# Allegro board 8880F5-0826_3.brd (continued)
## Routing (per net, layer and track width the routed paths; a pad name or vN(x,y) marks a point on that pad's centre or on a via; arc(x,y) is an arc through that point) (continued)
  L30_SIGNAL w0.074: 309.07,353.06 D114.A16 ; D114.A16 310.69,353.06 ; D114.A16 309.88,353.87 ; D114.A16 309.88,352.25 ; 88.09,81.28 D130.B2 ; D130.B2 88.9,80.47 ; D130.B2 89.71,81.28 ; D130.B2 88.9,82.09 ; D321.A16 271.78,87.07 ; D321.A16 271.78,85.65 ; D321.A16 271.07,86.36 ; D321.A16 272.49,86.36 ; 197.31,76.2 D118.A16 ; D118.A16 198.12,77.01 ; D118.A16 198.93,76.2 ; D118.A16 198.12,75.39 ; DPS1.A11 406.4,14.78 ; DPS1.A11 406.4,13.16 ; DPS1.A11 407.21,13.97 ; DPS1.A11 405.59,13.97 ; CSDPS425.B12 247.19,342.9 ; CSDPS425.B12 245.57,342.9 ; CSDPS425.B12 246.38,342.09 ; CSDPS425.B12 246.38,343.71 ; 247.85,187.93 SITE3.G7 ; SITE3.G7 248.33,188.41 ; SITE3.G7 248.81,187.93 ; SITE3.G7 248.33,187.45 ; 311.61,58.42 D103.B3 ; D103.B3 313.23,58.42 ; D103.B3 312.42,57.61 ; D103.B3 312.42,59.23 ; 99.06,75.39 D130.A6 ; D130.A6 99.87,76.2 ; D130.A6 98.25,76.2 ; D130.A6 99.06,77.01 ; SITE4.G15 331.91,182.83 ; SITE4.G15 330.95,182.83 ; SITE4.G15 331.43,182.35 ; SITE4.G15 331.43,183.31 ; D128.B16 51.61,40.64 ; D128.B16 49.99,40.64 ; D128.B16 50.8,39.83 ; D128.B16 50.8,41.45 ; D123.B9 254.81,58.42 ; D123.B9 254,59.23 ; D123.B9 253.19,58.42 ; D123.B9 254,57.61 ; 193.04,342.09 CSDPS429.B4 ; CSDPS429.B4 193.04,343.71 ; CSDPS429.B4 193.85,342.9 ; CSDPS429.B4 192.23,342.9 ; D118.A12 188.77,76.2 ; D118.A12 187.96,77.01 ; D118.A12 187.96,75.39 ; D118.A12 187.15,76.2 ; D116.B14 315.77,388.62 ; D116.B14 314.96,387.81 ; D116.B14 314.96,389.43 ; D116.B14 314.15,388.62 ; DPS2.A05 338.63,415.29 ; DPS2.A05 337.82,416.1 ; DPS2.A05 337.01,415.29 ; DPS2.A05 337.82,414.48 ; 27.94,37.29 D128.B7 ; D128.B7 27.94,38.91 ; D128.B7 27.13,38.1 ; D128.B7 28.75,38.1 ; 175.26,32.21 D120.A7 ; D120.A7 176.07,33.02 ; D120.A7 174.45,33.02 ; D120.A7 175.26,33.83 ; D129.B12 114.3,102.41 ; D129.B12 115.11,101.6 ; D129.B12 113.49,101.6 ; D129.B12 114.3,100.79 ; 400.51,58.42 D107.B9 ; D107.B9 402.13,58.42 ; D107.B9 401.32,57.61 ; D107.B9 401.32,59.23 ; 411.48,370.03 D111.B5 ; D111.B5 412.29,370.84 ; D111.B5 411.48,371.65 ; D111.B5 410.67,370.84 ; D317.A9 181.05,83.82 ; D317.A9 180.34,84.53 ; D317.A9 179.63,83.82 ; D317.A9 180.34,83.11 ; D306.B16 419.1,71.83 ; D306.B16 419.1,70.41 ; D306.B16 419.81,71.12 ; D306.B16 418.39,71.12 ; D106.B7 396.24,79.55 ; D106.B7 395.43,78.74 ; D106.B7 396.24,77.93 ; D106.B7 397.05,78.74 ; D113.A9 328.47,335.28 ; D113.A9 327.66,336.09 ; D113.A9 327.66,334.47 ; D113.A9 326.85,335.28 ; 317.5,62.79 D302.A5 ; D302.A5 316.79,63.5 ; D302.A5 318.21,63.5 ; D302.A5 317.5,64.21 ; D110.A8 404.67,353.06 ; D110.A8 403.86,353.87 ; D110.A8 403.05,353.06 ; D110.A8 403.86,352.25 ; 413.21,353.06 D110.A4 ; D110.A4 414.02,353.87 ; D110.A4 414.83,353.06 ; D110.A4 414.02,352.25 ; D112.B8 403.86,389.43 ; D112.B8 404.67,388.62 ; D112.B8 403.86,387.81 ; D112.B8 403.05,388.62 ; D128.B15 49.07,38.1 ; D128.B15 48.26,37.29 ; D128.B15 47.45,38.1 ; D128.B15 48.26,38.91 ; 269.24,37.29 D124.B15 ; D124.B15 270.05,38.1 ; D124.B15 269.24,38.91 ; D124.B15 268.43,38.1 ; 256.54,39.83 D124.B10 ; D124.B10 255.73,40.64 ; D124.B10 257.35,40.64 ; D124.B10 256.54,41.45 ; 273.51,340.36 CSDPS425.C1 ; CSDPS425.C1 274.32,341.17 ; CSDPS425.C1 275.13,340.36 ; CSDPS425.C1 274.32,339.55 ; 182.07,342.9 CSDPS429.B8 ; CSDPS429.B8 182.88,343.71 ; CSDPS429.B8 182.88,342.09 ; CSDPS429.B8 183.69,342.9 ; 327.66,88.19 D301.B9 ; D301.B9 327.66,89.61 ; D301.B9 328.37,88.9 ; D301.B9 326.95,88.9 ; 309.17,86.36 D301.A2 ; D301.A2 309.88,87.07 ; D301.A2 309.88,85.65 ; D301.A2 310.59,86.36 ; D126.A6 26.21,76.2 ; D126.A6 25.4,77.01 ; D126.A6 24.59,76.2 ; D126.A6 25.4,75.39 ; D103.A10 331.01,55.88 ; D103.A10 329.39,55.88 ; D103.A10 330.2,55.07 ; D103.A10 330.2,56.69 ; 337.01,78.74 D102.B13 ; D102.B13 337.82,79.55 ; D102.B13 338.63,78.74 ; D102.B13 337.82,77.93 ; 312.42,414.48 DPS2.A15 ; DPS2.A15 313.23,415.29 ; DPS2.A15 312.42,416.1 ; DPS2.A15 311.61,415.29 ; D106.B11 406.4,79.55 ; D106.B11 406.4,77.93 ; D106.B11 405.59,78.74 ; D106.B11 407.21,78.74 ; D113.B13 317.5,331.01 ; D113.B13 316.69,330.2 ; D113.B13 317.5,329.39 ; D113.B13 318.31,330.2 ; 330.23,245.95 SITE2.G18 ; SITE2.G18 329.75,246.43 ; SITE2.G18 330.71,246.43 ; SITE2.G18 330.23,246.91 ; S2_I2C.4 504.95,204.39 ; S2_I2C.4 504.95,202.51 ; S2_I2C.4 505.89,203.45 ; S2_I2C.4 504.01,203.45 ; D116.A10 325.93,393.7 ; D116.A10 325.12,394.51 ; D116.A10 324.31,393.7 ; D116.A10 325.12,392.89 ; 347.17,350.52 D114.B1 ; D114.B1 347.98,351.33 ; D114.B1 348.79,350.52 ; D114.B1 347.98,349.71 ; 411.48,390.35 D112.B5 ; D112.B5 411.48,391.97 ; D112.B5 410.67,391.16 ; D112.B5 412.29,391.16 ; D431.A2 198.12,384.35 ; D431.A2 198.12,382.73 ; D431.A2 197.31,383.54 ; D431.A2 198.93,383.54 ; D113.A8 330.2,333.55 ; D113.A8 331.01,332.74 ; D113.A8 330.2,331.93 ; D113.A8 329.39,332.74 ; 342.09,38.1 D104.B15 ; D104.B15 343.71,38.1 ; D104.B15 342.9,38.91 ; D104.B15 342.9,37.29 ; 169.37,38.1 D120.B5 ; D120.B5 170.18,38.91 ; D120.B5 170.18,37.29 ; D120.B5 170.99,38.1 ; 392.89,327.66 D109.B12 ; D109.B12 394.51,327.66 ; D109.B12 393.7,326.85 ; D109.B12 393.7,328.47 ; CSDPS429.C7 186.23,340.36 ; CSDPS429.C7 184.61,340.36 ; CSDPS429.C7 185.42,339.55 ; CSDPS429.C7 185.42,341.17 ; 408.23,66.04 D306.A12 ; D306.A12 408.94,66.75 ; D306.A12 408.94,65.33 ; D306.A12 409.65,66.04 ; D125.A6 25.4,97.33 ; D125.A6 25.4,95.71 ; D125.A6 26.21,96.52 ; D125.A6 24.59,96.52 ; D118.A10 182.88,77.01 ; D118.A10 183.69,76.2 ; D118.A10 182.07,76.2 ; D118.A10 182.88,75.39 ; D321.A8 252.17,86.36 ; D321.A8 250.75,86.36 ; D321.A8 251.46,87.07 ; D321.A8 251.46,85.65 ; 320.04,65.33 D302.A6 ; D302.A6 320.75,66.04 ; D302.A6 320.04,66.75 ; D302.A6 319.33,66.04 ; D118.B9 180.34,79.55 ; D118.B9 181.15,78.74 ; D118.B9 179.53,78.74 ; D118.B9 180.34,77.93 ; D301.A8 325.83,86.36 ; D301.A8 324.41,86.36 ; D301.A8 325.12,85.65 ; D301.A8 325.12,87.07 ; 268.53,83.82 D321.A15 ; D321.A15 269.95,83.82 ; D321.A15 269.24,83.11 ; D321.A15 269.24,84.53 ; 334.57,86.36 D301.A12 ; D301.A12 335.28,87.07 ; D301.A12 335.28,85.65 ; D301.A12 335.99,86.36 ; CSDPS429.B14 167.64,343.71 ; CSDPS429.B14 167.64,342.09 ; CSDPS429.B14 168.45,342.9 ; CSDPS429.B14 166.83,342.9 ; 413.21,347.98 D110.B4 ; D110.B4 414.02,348.79 ; D110.B4 414.02,347.17 ; D110.B4 414.83,347.98 ; D301.B4 315.67,91.44 ; D301.B4 314.96,90.73 ; D301.B4 314.96,92.15 ; D301.B4 314.25,91.44 ; D302.B6 320.04,71.83 ; D302.B6 319.33,71.12 ; D302.B6 320.75,71.12 ; D302.B6 320.04,70.41 ; 248.85,241.33 SITE1.G2 ; SITE1.G2 249.33,240.85 ; SITE1.G2 249.33,241.81 ; SITE1.G2 249.81,241.33 ; D115.A6 336.09,373.38 ; D115.A6 335.28,372.57 ; D115.A6 334.47,373.38 ; D115.A6 335.28,374.19 ; 254,52.53 D123.A9 ; D123.A9 254,54.15 ; D123.A9 254.81,53.34 ; D123.A9 253.19,53.34 ; 392.89,368.3 D111.B12 ; D111.B12 394.51,368.3 ; D111.B12 393.7,367.49 ; D111.B12 393.7,369.11 ; D231.A15 165.91,375.92 ; D231.A15 165.1,376.73 ; D231.A15 165.1,375.11 ; D231.A15 164.29,375.92 ; 170.18,380.19 D431.B13 ; D431.B13 170.99,381 ; D431.B13 169.37,381 ; D431.B13 170.18,381.81 ; D120.A2 162.56,36.37 ; D120.A2 161.75,35.56 ; D120.A2 163.37,35.56 ; D120.A2 162.56,34.75 ; D123.A5 244.65,53.34 ; D123.A5 243.03,53.34 ; D123.A5 243.84,54.15 ; D123.A5 243.84,52.53 ; D113.A1 348.79,335.28 ; D113.A1 347.17,335.28 ; D113.A1 347.98,334.47 ; D113.A1 347.98,336.09 ; D124.A13 264.16,33.83 ; D124.A13 264.97,33.02 ; D124.A13 264.16,32.21 ; D124.A13 263.35,33.02 ; 332.03,83.82 D301.A11 ; D301.A11 333.45,83.82 ; D301.A11 332.74,84.53 ; D301.A11 332.74,83.11 ; D111.A8 403.86,374.19 ; D111.A8 404.67,373.38 ; D111.A8 403.86,372.57 ; D111.A8 403.05,373.38 ; D112.B2 419.1,389.43 ; D112.B2 419.91,388.62 ; D112.B2 418.29,388.62 ; D112.B2 419.1,387.81 ; 339.55,373.38 D115.A4 ; D115.A4 340.36,374.19 ; D115.A4 341.17,373.38 ; D115.A4 340.36,372.57 ; 330.33,247.45 SITE2.G9 ; SITE2.G9 330.81,247.93 ; SITE2.G9 329.85,247.93 ; SITE2.G9 330.33,248.41 ; D124.A7 249.73,33.02 ; D124.A7 248.92,32.21 ; D124.A7 248.92,33.83 ; D124.A7 248.11,33.02 ; 172.72,85.65 D317.A6 ; D317.A6 172.01,86.36 ; D317.A6 172.72,87.07 ; D317.A6 173.43,86.36 ; CSDPS429.C5 190.5,341.17 ; CSDPS429.C5 189.69,340.36 ; CSDPS429.C5 190.5,339.55 ; CSDPS429.C5 191.31,340.36 ; 266.7,75.39 D122.A14 ; D122.A14 267.51,76.2 ; D122.A14 265.89,76.2 ; D122.A14 266.7,77.01 ; 331.93,335.28 D113.A7 ; D113.A7 333.55,335.28 ; D113.A7 332.74,334.47 ; D113.A7 332.74,336.09 ; 248.11,73.66 D122.A7 ; D122.A7 248.92,74.47 ; D122.A7 248.92,72.85 ; D122.A7 249.73,73.66 ; D317.B14 193.75,91.44 ; D317.B14 192.33,91.44 ; D317.B14 193.04,90.73 ; D317.B14 193.04,92.15 ; D305.A15 416.56,84.53 ; D305.A15 416.56,83.11 ; D305.A15 417.27,83.82 ; D305.A15 415.85,83.82 ; D125.B12 41.45,101.6 ; D125.B12 40.64,102.41 ; D125.B12 40.64,100.79 ; D125.B12 39.83,101.6 ; 174.45,340.36 CSDPS429.C11 ; CSDPS429.C11 175.26,341.17 ; CSDPS429.C11 175.26,339.55 ; CSDPS429.C11 176.07,340.36 ; 16.97,99.06 D125.B3 ; D125.B3 18.59,99.06 ; D125.B3 17.78,98.25 ; D125.B3 17.78,99.87 ; D124.B11 259.89,38.1 ; D124.B11 259.08,38.91 ; D124.B11 259.08,37.29 ; D124.B11 258.27,38.1 ; D118.B16 198.93,81.28 ; D118.B16 198.12,80.47 ; D118.B16 197.31,81.28 ; D118.B16 198.12,82.09 ; D125.A3 18.59,93.98 ; D125.A3 17.78,93.17 ; D125.A3 17.78,94.79 ; D125.A3 16.97,93.98 ; D127.A3 18.59,53.34 ; D127.A3 17.78,52.53 ; D127.A3 17.78,54.15 ; D127.A3 16.97,53.34 ; 253.29,63.5 D322.A9 ; D322.A9 254,64.21 ; D322.A9 254,62.79 ; D322.A9 254.71,63.5 ; 342.9,32.21 D104.A15 ; D104.A15 342.09,33.02 ; D104.A15 342.9,33.83 ; D104.A15 343.71,33.02 ; D119.B2 163.37,60.96 ; D119.B2 161.75,60.96 ; D119.B2 162.56,60.15 ; D119.B2 162.56,61.77 ; 317.5,77.93 D102.B5 ; D102.B5 316.69,78.74 ; D102.B5 317.5,79.55 ; D102.B5 318.31,78.74 ; 17.78,32.21 D128.A3 ; D128.A3 16.97,33.02 ; D128.A3 17.78,33.83 ; D128.A3 18.59,33.02 ; 324.31,347.98 D114.B10 ; D114.B10 325.93,347.98 ; D114.B10 325.12,348.79 ; D114.B10 325.12,347.17 ; D124.A1 234.49,33.02 ; D124.A1 233.68,33.83 ; D124.A1 233.68,32.21 ; D124.A1 232.87,33.02 ; SITE2.G8 329.81,247.93 ; SITE2.G8 328.85,247.93 ; SITE2.G8 329.33,247.45 ; SITE2.G8 329.33,248.41 ; CSDPS225.B14 242.11,332.74 ; CSDPS225.B14 240.49,332.74 ; CSDPS225.B14 241.3,331.93 ; CSDPS225.B14 241.3,333.55 ; 86.36,57.61 D131.B1 ; D131.B1 86.36,59.23 ; D131.B1 87.17,58.42 ; D131.B1 85.55,58.42 ; 252.15,182.83 SITE3.G16 ; SITE3.G16 252.63,183.31 ; SITE3.G16 252.63,182.35 ; SITE3.G16 253.11,182.83 ; D112.B3 416.56,391.97 ; D112.B3 415.75,391.16 ; D112.B3 416.56,390.35 ; D112.B3 417.37,391.16 ; D231.A17 160.83,375.92 ; D231.A17 160.02,376.73 ; D231.A17 160.02,375.11 ; D231.A17 159.21,375.92 ; SITE2.G17 329.51,246.43 ; SITE2.G17 328.55,246.43 ; SITE2.G17 329.03,246.91 ; SITE2.G17 329.03,245.95 ; D119.B8 178.61,60.96 ; D119.B8 176.99,60.96 ; D119.B8 177.8,61.77 ; D119.B8 177.8,60.15 ; D119.A4 167.64,56.69 ; D119.A4 168.45,55.88 ; D119.A4 167.64,55.07 ; D119.A4 166.83,55.88 ; CSDPS229.C11 176.07,330.2 ; CSDPS229.C11 174.45,330.2 ; CSDPS229.C11 175.26,331.01 ; CSDPS229.C11 175.26,329.39 ; 189.79,63.5 D318.A13 ; D318.A13 190.5,64.21 ; D318.A13 191.21,63.5 ; D318.A13 190.5,62.79 ; 273.51,330.2 CSDPS225.C1 ; CSDPS225.C1 275.13,330.2 ; CSDPS225.C1 274.32,329.39 ; CSDPS225.C1 274.32,331.01 ; D306.A13 411.48,64.21 ; D306.A13 410.77,63.5 ; D306.A13 412.19,63.5 ; D306.A13 411.48,62.79 ; D104.B4 315.77,40.64 ; D104.B4 314.96,41.45 ; D104.B4 314.15,40.64 ; D104.B4 314.96,39.83 ; CSDPS425.C3 270.05,340.36 ; CSDPS425.C3 269.24,341.17 ; CSDPS425.C3 269.24,339.55 ; CSDPS425.C3 268.43,340.36 ; 252.85,181.33 SITE3.G6 ; SITE3.G6 253.81,181.33 ; SITE3.G6 253.33,180.85 ; SITE3.G6 253.33,181.81 ; D431.A7 186.23,386.08 ; D431.A7 185.42,386.89 ; D431.A7 185.42,385.27 ; D431.A7 184.61,386.08 ; D124.A5 243.84,33.83 ; D124.A5 243.03,33.02 ; D124.A5 244.65,33.02 ; D124.A5 243.84,32.21 ; 169.37,53.34 D119.A5 ; D119.A5 170.18,52.53 ; D119.A5 170.99,53.34 ; D119.A5 170.18,54.15 ; 250.85,181.33 SITE3.G4 ; SITE3.G4 251.33,180.85 ; SITE3.G4 251.81,181.33 ; SITE3.G4 251.33,181.81 ; D322.B9 254,69.29 ; D322.B9 254.71,68.58 ; D322.B9 253.29,68.58 ; D322.B9 254,67.87 ; D129.B13 117.65,99.06 ; D129.B13 116.84,98.25 ; D129.B13 116.84,99.87 ; D129.B13 116.03,99.06 ; DPS8.C15 165.91,410.21 ; DPS8.C15 165.1,411.02 ; DPS8.C15 165.1,409.4 ; DPS8.C15 164.29,410.21 ; 383.54,352.25 D110.A16 ; D110.A16 384.35,353.06 ; D110.A16 383.54,353.87 ; D110.A16 382.73,353.06 ; D431.A4 193.85,383.54 ; D431.A4 192.23,383.54 ; D431.A4 193.04,382.73 ; D431.A4 193.04,384.35 ; D118.A13 191.31,73.66 ; D118.A13 189.69,73.66 ; D118.A13 190.5,74.47 ; D118.A13 190.5,72.85 ; 342.9,52.53 D103.A15 ; D103.A15 342.09,53.34 ; D103.A15 343.71,53.34 ; D103.A15 342.9,54.15 ; 266.7,80.47 D122.B14 ; D122.B14 265.89,81.28 ; D122.B14 267.51,81.28 ; D122.B14 266.7,82.09 ; D322.B11 259.08,69.29 ; D322.B11 259.79,68.58 ; D322.B11 258.37,68.58 ; D322.B11 259.08,67.87 ; D112.B12 393.7,389.43 ; D112.B12 394.51,388.62 ; D112.B12 392.89,388.62 ; D112.B12 393.7,387.81 ; D116.A4 341.17,393.7 ; D116.A4 340.36,392.89 ; D116.A4 340.36,394.51 ; D116.A4 339.55,393.7 ; 159.21,370.84 D231.B17 ; D231.B17 160.02,370.03 ; D231.B17 160.02,371.65 ; D231.B17 160.83,370.84 ; S4_I2C.4 518.92,204.39 ; S4_I2C.4 517.98,203.45 ; S4_I2C.4 518.92,202.51 ; S4_I2C.4 519.86,203.45 ; D302.A14 341.07,66.04 ; D302.A14 339.65,66.04 ; D302.A14 340.36,66.75 ; D302.A14 340.36,65.33 ; D129.A12 114.3,97.33 ; D129.A12 115.11,96.52 ; D129.A12 114.3,95.71 ; D129.A12 113.49,96.52 ; SITE1.G16 253.11,242.83 ; SITE1.G16 252.63,242.35 ; SITE1.G16 252.15,242.83 ; SITE1.G16 252.63,243.31 ; D317.A11 186.13,83.82 ; D317.A11 185.42,83.11 ; D317.A11 184.71,83.82 ; D317.A11 185.42,84.53 ; D305.B5 391.87,88.9 ; D305.B5 390.45,88.9 ; D305.B5 391.16,89.61 ; D305.B5 391.16,88.19 ; 49.99,81.28 D126.B16 ; D126.B16 50.8,80.47 ; D126.B16 51.61,81.28 ; D126.B16 50.8,82.09 ; D131.A16 125.27,55.88 ; D131.A16 124.46,56.69 ; D131.A16 124.46,55.07 ; D131.A16 123.65,55.88 ; 332.85,241.33 SITE2.G6 ; SITE2.G6 333.33,241.81 ; SITE2.G6 333.81,241.33 ; SITE2.G6 333.33,240.85 ; D110.B10 399.59,347.98 ; D110.B10 398.78,347.17 ; D110.B10 397.97,347.98 ; D110.B10 398.78,348.79 ; D120.B16 198.93,40.64 ; D120.B16 197.31,40.64 ; D120.B16 198.12,41.45 ; D120.B16 198.12,39.83 ; SITE4.G2 329.33,181.81 ; SITE4.G2 329.81,181.33 ; SITE4.G2 328.85,181.33 ; SITE4.G2 329.33,180.85 ; 263.35,53.34 D123.A13 ; D123.A13 264.16,52.53 ; D123.A13 264.97,53.34 ; D123.A13 264.16,54.15 ; 166.83,378.46 D431.B14 ; D431.B14 167.64,379.27 ; D431.B14 168.45,378.46 ; D431.B14 167.64,377.65 ; D123.B5 244.65,58.42 ; D123.B5 243.84,59.23 ; D123.B5 243.03,58.42 ; D123.B5 243.84,57.61 ; D322.A2 236.22,66.75 ; D322.A2 236.93,66.04 ; D322.A2 236.22,65.33 ; D322.A2 235.51,66.04 ; 408.94,367.49 D111.B6 ; D111.B6 409.75,368.3 ; D111.B6 408.94,369.11 ; D111.B6 408.13,368.3 ; 110.95,33.02 D132.A11 ; D132.A11 112.57,33.02 ; D132.A11 111.76,32.21 ; D132.A11 111.76,33.83 ; D130.A11 112.57,73.66 ; D130.A11 110.95,73.66 ; D130.A11 111.76,74.47 ; D130.A11 111.76,72.85 ; 383.54,55.07 D107.A2 ; D107.A2 384.35,55.88 ; D107.A2 383.54,56.69 ; D107.A2 382.73,55.88 ; 397.97,35.56 D108.A8 ; D108.A8 398.78,36.37 ; D108.A8 399.59,35.56 ; D108.A8 398.78,34.75 ; 385.37,63.5 D306.A3 ; D306.A3 386.79,63.5 ; D306.A3 386.08,62.79 ; D306.A3 386.08,64.21 ; 236.22,34.75 D124.A2 ; D124.A2 236.22,36.37 ; D124.A2 237.03,35.56 ; D124.A2 235.41,35.56 ; D119.A3 165.91,53.34 ; D119.A3 165.1,52.53 ; D119.A3 164.29,53.34 ; D119.A3 165.1,54.15 ; D115.B14 314.96,369.11 ; D115.B14 314.96,367.49 ; D115.B14 314.15,368.3 ; D115.B14 315.77,368.3 ; D130.B1 86.36,79.55 ; D130.B1 85.55,78.74 ; D130.B1 86.36,77.93 ; D130.B1 87.17,78.74 ; D130.B15 122.73,78.74 ; D130.B15 121.11,78.74 ; D130.B15 121.92,77.93 ; D130.B15 121.92,79.55 ; 393.7,34.75 D108.A6 ; D108.A6 394.51,35.56 ; D108.A6 393.7,36.37 ; D108.A6 392.89,35.56 ; D126.A2 16.05,76.2 ; D126.A2 15.24,77.01 ; D126.A2 14.43,76.2 ; D126.A2 15.24,75.39 ; D321.B5 244.55,88.9 ; D321.B5 243.84,88.19 ; D321.B5 243.13,88.9 ; D321.B5 243.84,89.61 ; D111.B9 402.13,370.84 ; D111.B9 400.51,370.84 ; D111.B9 401.32,370.03 ; D111.B9 401.32,371.65 ; 344.63,393.7 D116.A2 ; D116.A2 346.25,393.7 ; D116.A2 345.44,394.51 ; D116.A2 345.44,392.89 ; D109.A7 406.4,336.09 ; D109.A7 405.59,335.28 ; D109.A7 406.4,334.47 ; D109.A7 407.21,335.28 ; 265.89,342.9 CSDPS425.B4 ; CSDPS425.B4 267.51,342.9 ; CSDPS425.B4 266.7,342.09 ; CSDPS425.B4 266.7,343.71 ; D231.B13 170.99,370.84 ; D231.B13 169.37,370.84 ; D231.B13 170.18,371.65 ; D231.B13 170.18,370.03 ; D120.A11 186.23,33.02 ; D120.A11 185.42,32.21 ; D120.A11 184.61,33.02 ; D120.A11 185.42,33.83 ; 330.2,70.41 D302.B10 ; D302.B10 329.49,71.12 ; D302.B10 330.2,71.83 ; D302.B10 330.91,71.12 ; 114.3,55.07 D131.A12 ; D131.A12 114.3,56.69 ; D131.A12 115.11,55.88 ; D131.A12 113.49,55.88 ; 268.43,73.66 D122.A15 ; D122.A15 269.24,74.47 ; D122.A15 269.24,72.85 ; D122.A15 270.05,73.66 ; D127.A1 13.51,53.34 ; D127.A1 12.7,52.53 ; D127.A1 12.7,54.15 ; D127.A1 11.89,53.34 ; 12.7,57.61 D127.B1 ; D127.B1 12.7,59.23 ; D127.B1 13.51,58.42 ; D127.B1 11.89,58.42 ; D301.B7 322.58,89.61 ; D301.B7 323.29,88.9 ; D301.B7 322.58,88.19 ; D301.B7 321.87,88.9 ; 198.12,55.07 D119.A16 ; D119.A16 198.93,55.88 ; D119.A16 197.31,55.88 ; D119.A16 198.12,56.69 ; 337.82,52.53 D103.A13 ; D103.A13 337.01,53.34 ; D103.A13 338.63,53.34 ; D103.A13 337.82,54.15 ; D116.B15 312.42,391.97 ; D116.B15 311.61,391.16 ; D116.B15 312.42,390.35 ; D116.B15 313.23,391.16 ; 309.17,71.12 D302.B2 ; D302.B2 309.88,71.83 ; D302.B2 309.88,70.41 ; D302.B2 310.59,71.12 ; 165.1,414.48 DPS8.A15 ; DPS8.A15 165.1,416.1 ; DPS8.A15 165.91,415.29 ; DPS8.A15 164.29,415.29 ; 401.32,354.79 D110.A9 ; D110.A9 402.13,355.6 ; D110.A9 401.32,356.41 ; D110.A9 400.51,355.6 ; D120.B1 160.83,38.1 ; D120.B1 160.02,37.29 ; D120.B1 159.21,38.1 ; D120.B1 160.02,38.91 ; 324.31,332.74 D113.A10 ; D113.A10 325.12,331.93 ; D113.A10 325.93,332.74 ; D113.A10 325.12,333.55 ; 309.88,331.93 D113.A16 ; D113.A16 309.88,333.55 ; D113.A16 310.69,332.74 ; D113.A16 309.07,332.74 ; CSDPS429.C9 181.15,340.36 ; CSDPS429.C9 179.53,340.36 ; CSDPS429.C9 180.34,339.55 ; CSDPS429.C9 180.34,341.17 ; 91.44,57.61 D131.B3 ; D131.B3 91.44,59.23 ; D131.B3 90.63,58.42 ; D131.B3 92.25,58.42 ; 316.69,391.16 D116.B13 ; D116.B13 318.31,391.16 ; D116.B13 317.5,391.97 ; D116.B13 317.5,390.35 ; 269.24,62.79 D322.A15 ; D322.A15 269.95,63.5 ; D322.A15 269.24,64.21 ; D322.A15 268.53,63.5 ; 342.9,67.87 D302.B15 ; D302.B15 342.19,68.58 ; D302.B15 342.9,69.29 ; D302.B15 343.61,68.58 ; 398.07,86.36 D305.A8 ; D305.A8 399.49,86.36 ; D305.A8 398.78,87.07 ; D305.A8 398.78,85.65 ; 238.05,88.9 D321.B3 ; D321.B3 238.76,89.61 ; D321.B3 239.47,88.9 ; D321.B3 238.76,88.19 ; D130.B7 102.41,78.74 ; D130.B7 101.6,79.55 ; D130.B7 100.79,78.74 ; D130.B7 101.6,77.93 ; 331.93,391.16 D116.B7 ; D116.B7 333.55,391.16 ; D116.B7 332.74,390.35 ; D116.B7 332.74,391.97 ; D102.A13 338.63,73.66 ; D102.A13 337.82,74.47 ; D102.A13 337.01,73.66 ; D102.A13 337.82,72.85 ; 337.01,370.84 D115.B5 ; D115.B5 338.63,370.84 ; D115.B5 337.82,370.03 ; D115.B5 337.82,371.65 ; D131.A14 119.38,56.69 ; D131.A14 119.38,55.07 ; D131.A14 120.19,55.88 ; D131.A14 118.57,55.88 ; D128.A10 36.37,35.56 ; D128.A10 34.75,35.56 ; D128.A10 35.56,36.37 ; D128.A10 35.56,34.75 ; D118.B1 160.83,78.74 ; D118.B1 159.21,78.74 ; D118.B1 160.02,79.55 ; D118.B1 160.02,77.93 ; D112.A10 398.78,394.51 ; D112.A10 399.59,393.7 ; D112.A10 397.97,393.7 ; D112.A10 398.78,392.89 ; 245.57,332.74 CSDPS225.B12 ; CSDPS225.B12 246.38,331.93 ; CSDPS225.B12 247.19,332.74 ; CSDPS225.B12 246.38,333.55 ; 327.66,395.43 D116.A9 ; D116.A9 328.47,396.24 ; D116.A9 326.85,396.24 ; D116.A9 327.66,397.05 ; 396.24,67.87 D306.B7 ; D306.B7 395.53,68.58 ; D306.B7 396.95,68.58 ; D306.B7 396.24,69.29 ; D318.A6 173.43,66.04 ; D318.A6 172.72,66.75 ; D318.A6 172.01,66.04 ; D318.A6 172.72,65.33 ; 306.53,53.34 D103.A1 ; D103.A1 307.34,52.53 ; D103.A1 307.34,54.15 ; D103.A1 308.15,53.34 ; 251.46,70.41 D322.B8 ; D322.B8 250.75,71.12 ; D322.B8 251.46,71.83 ; D322.B8 252.17,71.12 ; D113.B9 327.66,331.01 ; D113.B9 327.66,329.39 ; D113.B9 326.85,330.2 ; D113.B9 328.47,330.2 ; CSDPS429.B12 172.72,343.71 ; CSDPS429.B12 172.72,342.09 ; CSDPS429.B12 171.91,342.9 ; CSDPS429.B12 173.53,342.9 ; 43.18,32.21 D128.A13 ; D128.A13 43.99,33.02 ; D128.A13 43.18,33.83 ; D128.A13 42.37,33.02 ; 322.58,52.53 D103.A7 ; D103.A7 323.39,53.34 ; D103.A7 322.58,54.15 ; D103.A7 321.77,53.34 ; D119.A2 163.37,55.88 ; D119.A2 162.56,56.69 ; D119.A2 162.56,55.07 ; D119.A2 161.75,55.88 ; 382.73,373.38 D111.A16 ; D111.A16 383.54,374.19 ; D111.A16 384.35,373.38 ; D111.A16 383.54,372.57 ; CSDPS425.B16 236.22,343.71 ; CSDPS425.B16 235.41,342.9 ; CSDPS425.B16 237.03,342.9 ; CSDPS425.B16 236.22,342.09 ; CSDPS229.C9 180.34,331.01 ; CSDPS229.C9 179.53,330.2 ; CSDPS229.C9 181.15,330.2 ; CSDPS229.C9 180.34,329.39 ; 330.2,34.75 D104.A10 ; D104.A10 331.01,35.56 ; D104.A10 330.2,36.37 ; D104.A10 329.39,35.56 ; D127.B3 17.78,59.23 ; D127.B3 18.59,58.42 ; D127.B3 17.78,57.61 ; D127.B3 16.97,58.42 ; D111.A1 421.64,376.73 ; D111.A1 420.83,375.92 ; D111.A1 421.64,375.11 ; D111.A1 422.45,375.92 ; 332.33,240.85 SITE2.G5 ; SITE2.G5 332.33,241.81 ; SITE2.G5 331.85,241.33 ; SITE2.G5 332.81,241.33 ; D231.B8 182.88,369.11 ; D231.B8 182.07,368.3 ; D231.B8 182.88,367.49 ; D231.B8 183.69,368.3 ; 95.71,33.02 D132.A5 ; D132.A5 97.33,33.02 ; D132.A5 96.52,32.21 ; D132.A5 96.52,33.83 ; 421.64,349.71 D110.B1 ; D110.B1 420.83,350.52 ; D110.B1 421.64,351.33 ; D110.B1 422.45,350.52 ; DPS2.C01 347.98,411.02 ; DPS2.C01 347.17,410.21 ; DPS2.C01 347.98,409.4 ; DPS2.C01 348.79,410.21 ; D113.B15 313.23,330.2 ; D113.B15 311.61,330.2 ; D113.B15 312.42,329.39 ; D113.B15 312.42,331.01 ; SITE4.G11 332.81,187.93 ; SITE4.G11 332.33,188.41 ; SITE4.G11 331.85,187.93 ; SITE4.G11 332.33,187.45 ; D306.B13 412.19,68.58 ; D306.B13 411.48,67.87 ; D306.B13 410.77,68.58 ; D306.B13 411.48,69.29 ; D128.A8 31.29,35.56 ; D128.A8 30.48,34.75 ; D128.A8 30.48,36.37 ; D128.A8 29.67,35.56 ; D112.B9 401.32,391.97 ; D112.B9 402.13,391.16 ; D112.B9 401.32,390.35 ; D112.B9 400.51,391.16 ; D104.A9 328.47,33.02 ; D104.A9 327.66,32.21 ; D104.A9 327.66,33.83 ; D104.A9 326.85,33.02 ; D103.B9 327.66,59.23 ; D103.B9 327.66,57.61 ; D103.B9 328.47,58.42 ; D103.B9 326.85,58.42 ; 195.58,385.27 D431.A3 ; D431.A3 194.77,386.08 ; D431.A3 195.58,386.89 ; D431.A3 196.39,386.08 ; 248.85,247.93 SITE1.G8 ; SITE1.G8 249.33,247.45 ; SITE1.G8 249.81,247.93 ; SITE1.G8 249.33,248.41 ; 177.8,70.41 D318.B8 ; D318.B8 178.51,71.12 ; D318.B8 177.8,71.83 ; D318.B8 177.09,71.12 ; 332.74,370.03 D115.B7 ; D115.B7 331.93,370.84 ; D115.B7 333.55,370.84 ; D115.B7 332.74,371.65 ; D110.B13 391.97,350.52 ; D110.B13 391.16,351.33 ; D110.B13 390.35,350.52 ; D110.B13 391.16,349.71 ; 403.86,367.49 D111.B8 ; D111.B8 403.86,369.11 ; D111.B8 404.67,368.3 ; D111.B8 403.05,368.3 ; 415.75,13.97 DPS1.A15 ; DPS1.A15 416.56,13.16 ; DPS1.A15 416.56,14.78 ; DPS1.A15 417.37,13.97 ; 119.38,60.15 D131.B14 ; D131.B14 119.38,61.77 ; D131.B14 118.57,60.96 ; D131.B14 120.19,60.96 ; 410.67,78.74 D106.B13 ; D106.B13 412.29,78.74 ; D106.B13 411.48,79.55 ; D106.B13 411.48,77.93 ; 311.61,33.02 D104.A3 ; D104.A3 312.42,32.21 ; D104.A3 312.42,33.83 ; D104.A3 313.23,33.02 ; 387.81,81.28 D106.B4 ; D106.B4 388.62,80.47 ; D106.B4 388.62,82.09 ; D106.B4 389.43,81.28 ; D126.B14 46.53,81.28 ; D126.B14 45.72,82.09 ; D126.B14 44.91,81.28 ; D126.B14 45.72,80.47 ; 45.72,60.15 D127.B14 ; D127.B14 44.91,60.96 ; D127.B14 45.72,61.77 ; D127.B14 46.53,60.96 ; 93.98,95.71 D129.A4 ; D129.A4 93.17,96.52 ; D129.A4 93.98,97.33 ; D129.A4 94.79,96.52 ; D115.B3 343.71,370.84 ; D115.B3 342.09,370.84 ; D115.B3 342.9,370.03 ; D115.B3 342.9,371.65 ; D106.B12 408.94,82.09 ; D106.B12 408.94,80.47 ; D106.B12 409.75,81.28 ; D106.B12 408.13,81.28 ; 482.49,214 UNK2U2.4 ; UNK2U2.4 483.43,214.94 ; UNK2U2.4 481.55,214.94 ; UNK2U2.4 482.49,215.88 ; 17.78,37.29 D128.B3 ; D128.B3 18.59,38.1 ; D128.B3 17.78,38.91 ; D128.B3 16.97,38.1 ; D119.B5 170.18,59.23 ; D119.B5 169.37,58.42 ; D119.B5 170.18,57.61 ; D119.B5 170.99,58.42 ; 328.85,187.93 SITE4.G8 ; SITE4.G8 329.33,188.41 ; SITE4.G8 329.33,187.45 ; SITE4.G8 329.81,187.93 ; D301.A15 342.9,84.53 ; D301.A15 342.9,83.11 ; D301.A15 342.19,83.82 ; D301.A15 343.61,83.82 ; D124.B13 264.97,38.1 ; D124.B13 264.16,38.91 ; D124.B13 264.16,37.29 ; D124.B13 263.35,38.1 ; D120.B15 196.39,38.1 ; D120.B15 195.58,38.91 ; D120.B15 194.77,38.1 ; D120.B15 195.58,37.29 ; D114.B8 330.2,348.79 ; D114.B8 331.01,347.98 ; D114.B8 330.2,347.17 ; D114.B8 329.39,347.98 ; D306.B1 381.71,68.58 ; D306.B1 381,67.87 ; D306.B1 381,69.29 ; D306.B1 380.29,68.58 ; 162.56,90.73 D317.B2 ; D317.B2 162.56,92.15 ; D317.B2 161.85,91.44 ; D317.B2 163.27,91.44 ; D114.B12 320.85,347.98 ; D114.B12 320.04,347.17 ; D114.B12 319.23,347.98 ; D114.B12 320.04,348.79 ; 325.12,55.07 D103.A8 ; D103.A8 325.12,56.69 ; D103.A8 324.31,55.88 ; D103.A8 325.93,55.88 ; D231.B14 167.64,369.11 ; D231.B14 166.83,368.3 ; D231.B14 167.64,367.49 ; D231.B14 168.45,368.3 ; D123.B16 272.59,60.96 ; D123.B16 271.78,61.77 ; D123.B16 270.97,60.96 ; D123.B16 271.78,60.15 ; 330.23,185.95 SITE4.G18 ; SITE4.G18 330.71,186.43 ; SITE4.G18 329.75,186.43 ; SITE4.G18 330.23,186.91 ; D106.A2 383.54,77.01 ; D106.A2 384.35,76.2 ; D106.A2 382.73,76.2 ; D106.A2 383.54,75.39 ; D111.B3 417.37,370.84 ; D111.B3 415.75,370.84 ; D111.B3 416.56,371.65 ; D111.B3 416.56,370.03 ; D302.B16 346.15,71.12 ; D302.B16 345.44,71.83 ; D302.B16 344.73,71.12 ; D302.B16 345.44,70.41 ; D103.B8 325.93,60.96 ; D103.B8 325.12,60.15 ; D103.B8 325.12,61.77 ; D103.B8 324.31,60.96 ; D113.B12 320.04,328.47 ; D113.B12 319.23,327.66 ; D113.B12 320.04,326.85 ; D113.B12 320.85,327.66 ; D321.B13 264.16,89.61 ; D321.B13 263.45,88.9 ; D321.B13 264.87,88.9 ; D321.B13 264.16,88.19 ; 405.59,370.84 D111.B7 ; D111.B7 406.4,370.03 ; D111.B7 407.21,370.84 ; D111.B7 406.4,371.65 ; 332.74,349.71 D114.B7 ; D114.B7 332.74,351.33 ; D114.B7 331.93,350.52 ; D114.B7 333.55,350.52 ; 24.59,40.64 D128.B6 ; D128.B6 26.21,40.64 ; D128.B6 25.4,39.83 ; D128.B6 25.4,41.45 ; 236.22,60.15 D123.B2 ; D123.B2 236.22,61.77 ; D123.B2 235.41,60.96 ; D123.B2 237.03,60.96 ; 344.63,332.74 D113.A2 ; D113.A2 346.25,332.74 ; D113.A2 345.44,331.93 ; D113.A2 345.44,333.55 ; 260.81,81.28 D122.B12 ; D122.B12 261.62,80.47 ; D122.B12 261.62,82.09 ; D122.B12 262.43,81.28 ; 260.81,60.96 D123.B12 ; D123.B12 261.62,61.77 ; D123.B12 262.43,60.96 ; D123.B12 261.62,60.15 ; 105.87,58.42 D131.B9 ; D131.B9 106.68,59.23 ; D131.B9 107.49,58.42 ; D131.B9 106.68,57.61 ; D125.B5 23.67,99.06 ; D125.B5 22.86,99.87 ; D125.B5 22.86,98.25 ; D125.B5 22.05,99.06 ; D129.B3 91.44,99.87 ; D129.B3 90.63,99.06 ; D129.B3 91.44,98.25 ; D129.B3 92.25,99.06 ; 314.15,81.28 D102.B4 ; D102.B4 314.96,80.47 ; D102.B4 314.96,82.09 ; D102.B4 315.77,81.28 ; D119.B1 160.02,59.23 ; D119.B1 160.02,57.61 ; D119.B1 160.83,58.42 ; D119.B1 159.21,58.42 ; 380.29,63.5 D306.A1 ; D306.A1 381.71,63.5 ; D306.A1 381,64.21 ; D306.A1 381,62.79 ; 386.08,88.19 D305.B3 ; D305.B3 386.79,88.9 ; D305.B3 385.37,88.9 ; D305.B3 386.08,89.61 ; D108.A12 409.75,35.56 ; D108.A12 408.13,35.56 ; D108.A12 408.94,36.37 ; D108.A12 408.94,34.75 ; 380.19,19.05 DPS1.C01 ; DPS1.C01 381.81,19.05 ; DPS1.C01 381,19.86 ; DPS1.C01 381,18.24 ; 187.25,66.04 D318.A12 ; D318.A12 187.96,65.33 ; D318.A12 187.96,66.75 ; D318.A12 188.67,66.04 ; D110.B8 404.67,347.98 ; D110.B8 403.86,347.17 ; D110.B8 403.86,348.79 ; D110.B8 403.05,347.98 ; 243.84,62.79 D322.A5 ; D322.A5 243.13,63.5 ; D322.A5 244.55,63.5 ; D322.A5 243.84,64.21 ; D129.A10 109.22,97.33 ; D129.A10 108.41,96.52 ; D129.A10 110.03,96.52 ; D129.A10 109.22,95.71 ; 182.88,34.75 D120.A10 ; D120.A10 182.07,35.56 ; D120.A10 183.69,35.56 ; D120.A10 182.88,36.37 ; D116.A13 317.5,397.05 ; D116.A13 316.69,396.24 ; D116.A13 317.5,395.43 ; D116.A13 318.31,396.24 ; 400.61,63.5 D306.A9 ; D306.A9 402.03,63.5 ; D306.A9 401.32,62.79 ; D306.A9 401.32,64.21 ; 337.01,58.42 D103.B13 ; D103.B13 337.82,57.61 ; D103.B13 337.82,59.23 ; D103.B13 338.63,58.42 ; D321.B12 262.33,91.44 ; D321.B12 261.62,92.15 ; D321.B12 260.91,91.44 ; D321.B12 261.62,90.73 ; 250.33,180.85 SITE3.G3 ; SITE3.G3 250.81,181.33 ; SITE3.G3 249.85,181.33 ; SITE3.G3 250.33,181.81 ; 172.01,71.12 D318.B6 ; D318.B6 172.72,71.83 ; D318.B6 173.43,71.12 ; D318.B6 172.72,70.41 ; D125.A12 41.45,96.52 ; D125.A12 40.64,95.71 ; D125.A12 40.64,97.33 ; D125.A12 39.83,96.52 ; D302.A4 314.96,66.75 ; D302.A4 315.67,66.04 ; D302.A4 314.96,65.33 ; D302.A4 314.25,66.04 ; D129.A16 124.46,97.33 ; D129.A16 123.65,96.52 ; D129.A16 124.46,95.71 ; D129.A16 125.27,96.52 ; 321.77,330.2 D113.B11 ; D113.B11 322.58,331.01 ; D113.B11 323.39,330.2 ; D113.B11 322.58,329.39 ; D322.B15 269.95,68.58 ; D322.B15 269.24,69.29 ; D322.B15 268.53,68.58 ; D322.B15 269.24,67.87 ; D302.A9 327.66,64.21 ; D302.A9 328.37,63.5 ; D302.A9 327.66,62.79 ; D302.A9 326.95,63.5 ; CSDPS425.C11 249.73,340.36 ; CSDPS425.C11 248.11,340.36 ; CSDPS425.C11 248.92,341.17 ; CSDPS425.C11 248.92,339.55 ; SITE4.G17 329.51,186.43 ; SITE4.G17 329.03,186.91 ; SITE4.G17 329.03,185.95 ; SITE4.G17 328.55,186.43 ; 340.36,352.25 D114.A4 ; D114.A4 339.55,353.06 ; D114.A4 341.17,353.06 ; D114.A4 340.36,353.87 ; 193.04,377.65 D431.B4 ; D431.B4 192.23,378.46 ; D431.B4 193.04,379.27 ; D431.B4 193.85,378.46 ; 121.11,38.1 D132.B15 ; D132.B15 121.92,37.29 ; D132.B15 122.73,38.1 ; D132.B15 121.92,38.91 ; 342.9,349.71 D114.B3 ; D114.B3 343.71,350.52 ; D114.B3 342.9,351.33 ; D114.B3 342.09,350.52 ; D131.B12 115.11,60.96 ; D131.B12 114.3,60.15 ; D131.B12 113.49,60.96 ; D131.B12 114.3,61.77 ; 254,88.19 D321.B9 ; D321.B9 254,89.61 ; D321.B9 253.29,88.9 ; D321.B9 254.71,88.9 ; D109.A10 399.59,332.74 ; D109.A10 398.78,331.93 ; D109.A10 398.78,333.55 ; D109.A10 397.97,332.74 ; 408.13,373.38 D111.A6 ; D111.A6 409.75,373.38 ; D111.A6 408.94,374.19 ; D111.A6 408.94,372.57 ; 337.82,329.39 D113.B5 ; D113.B5 337.82,331.01 ; D113.B5 337.01,330.2 ; D113.B5 338.63,330.2 ; 70.61,208.1 S1_I2C.4 ; S1_I2C.4 71.55,209.04 ; S1_I2C.4 69.67,209.04 ; S1_I2C.4 70.61,209.98 ; D129.A9 106.68,94.79 ; D129.A9 106.68,93.17 ; D129.A9 107.49,93.98 ; D129.A9 105.87,93.98 ; D231.B7 186.23,370.84 ; D231.B7 184.61,370.84 ; D231.B7 185.42,371.65 ; D231.B7 185.42,370.03 ; D114.B15 312.42,351.33 ; D114.B15 312.42,349.71 ; D114.B15 313.23,350.52 ; D114.B15 311.61,350.52 ; 171.91,40.64 D120.B6 ; D120.B6 172.72,41.45 ; D120.B6 173.53,40.64 ; D120.B6 172.72,39.83 ; 88.9,39.83 D132.B2 ; D132.B2 88.09,40.64 ; D132.B2 88.9,41.45 ; D132.B2 89.71,40.64 ; CSDPS425.C9 254,341.17 ; CSDPS425.C9 254.81,340.36 ; CSDPS425.C9 254,339.55 ; CSDPS425.C9 253.19,340.36 ; 42.37,99.06 D125.B13 ; D125.B13 43.18,99.87 ; D125.B13 43.99,99.06 ; D125.B13 43.18,98.25 ; 248.21,83.82 D321.A7 ; D321.A7 249.63,83.82 ; D321.A7 248.92,83.11 ; D321.A7 248.92,84.53 ; 400.61,88.9 D305.B9 ; D305.B9 401.32,89.61 ; D305.B9 401.32,88.19 ; D305.B9 402.03,88.9 ; 39.83,40.64 D128.B12 ; D128.B12 40.64,39.83 ; D128.B12 41.45,40.64 ; D128.B12 40.64,41.45 ; 88.09,55.88 D131.A2 ; D131.A2 89.71,55.88 ; D131.A2 88.9,55.07 ; D131.A2 88.9,56.69 ; D111.A13 391.16,376.73 ; D111.A13 391.97,375.92 ; D111.A13 391.16,375.11 ; D111.A13 390.35,375.92 ; 382.73,347.98 D110.B16 ; D110.B16 383.54,347.17 ; D110.B16 383.54,348.79 ; D110.B16 384.35,347.98 ; 256.54,331.93 CSDPS225.B8 ; CSDPS225.B8 255.73,332.74 ; CSDPS225.B8 257.35,332.74 ; CSDPS225.B8 256.54,333.55 ; D302.B12 335.99,71.12 ; D302.B12 335.28,71.83 ; D302.B12 334.57,71.12 ; D302.B12 335.28,70.41 ; D132.B13 117.65,38.1 ; D132.B13 116.03,38.1 ; D132.B13 116.84,38.91 ; D132.B13 116.84,37.29 ; 344.73,91.44 D301.B16 ; D301.B16 345.44,90.73 ; D301.B16 345.44,92.15 ; D301.B16 346.15,91.44 ; D305.A7 396.24,84.53 ; D305.A7 395.53,83.82 ; D305.A7 396.95,83.82 ; D305.A7 396.24,83.11 ; D130.B9 106.68,79.55 ; D130.B9 107.49,78.74 ; D130.B9 105.87,78.74 ; D130.B9 106.68,77.93 ; DPS8.C01 201.47,410.21 ; DPS8.C01 200.66,409.4 ; DPS8.C01 200.66,411.02 ; DPS8.C01 199.85,410.21 ; 396.24,88.19 D305.B7 ; D305.B7 396.95,88.9 ; D305.B7 395.53,88.9 ; D305.B7 396.24,89.61 ; 93.17,81.28 D130.B4 ; D130.B4 93.98,80.47 ; D130.B4 94.79,81.28 ; D130.B4 93.98,82.09 ; 400.51,375.92 D111.A9 ; D111.A9 402.13,375.92 ; D111.A9 401.32,375.11 ; D111.A9 401.32,376.73 ; D306.A2 384.25,66.04 ; D306.A2 383.54,66.75 ; D306.A2 382.83,66.04 ; D306.A2 383.54,65.33 ; 176.99,40.64 D120.B8 ; D120.B8 178.61,40.64 ; D120.B8 177.8,41.45 ; D120.B8 177.8,39.83 ; 88.09,96.52 D129.A2 ; D129.A2 88.9,97.33 ; D129.A2 89.71,96.52 ; D129.A2 88.9,95.71 ; D108.B11 407.21,38.1 ; D108.B11 406.4,37.29 ; D108.B11 406.4,38.91 ; D108.B11 405.59,38.1 ; D104.A5 317.5,33.83 ; D104.A5 317.5,32.21 ; D104.A5 316.69,33.02 ; D104.A5 318.31,33.02 ; 164.29,330.2 CSDPS229.C15 ; CSDPS229.C15 165.1,329.39 ; CSDPS229.C15 165.91,330.2 ; CSDPS229.C15 165.1,331.01 ; D129.B5 96.52,99.87 ; D129.B5 95.71,99.06 ; D129.B5 96.52,98.25 ; D129.B5 97.33,99.06 ; 330.85,247.93 SITE2.G10 ; SITE2.G10 331.33,247.45 ; SITE2.G10 331.81,247.93 ; SITE2.G10 331.33,248.41 ; 44.91,101.6 D125.B14 ; D125.B14 46.53,101.6 ; D125.B14 45.72,100.79 ; D125.B14 45.72,102.41 ; D115.A16 309.88,374.19 ; D115.A16 310.69,373.38 ; D115.A16 309.07,373.38 ; D115.A16 309.88,372.57 ; D125.A7 27.94,94.79 ; D125.A7 27.94,93.17 ; D125.A7 27.13,93.98 ; D125.A7 28.75,93.98 ; 177.8,382.73 D431.A10 ; D431.A10 178.61,383.54 ; D431.A10 176.99,383.54 ; D431.A10 177.8,384.35 ; 195.58,62.79 D318.A15 ; D318.A15 196.29,63.5 ; D318.A15 195.58,64.21 ; D318.A15 194.87,63.5 ; D113.A15 312.42,336.09 ; D113.A15 313.23,335.28 ; D113.A15 312.42,334.47 ; D113.A15 311.61,335.28 ; D106.A14 414.83,76.2 ; D106.A14 414.02,75.39 ; D106.A14 414.02,77.01 ; D106.A14 413.21,76.2 ; DPS8.A01 201.47,415.29 ; DPS8.A01 200.66,416.1 ; DPS8.A01 199.85,415.29 ; DPS8.A01 200.66,414.48 ; D318.A7 175.97,63.5 ; D318.A7 174.55,63.5 ; D318.A7 175.26,62.79 ; D318.A7 175.26,64.21 ; D321.A2 236.22,87.07 ; D321.A2 235.51,86.36 ; D321.A2 236.93,86.36 ; D321.A2 236.22,85.65 ; 193.04,80.47 D118.B14 ; D118.B14 193.04,82.09 ; D118.B14 192.23,81.28 ; D118.B14 193.85,81.28 ; D109.A4 414.02,333.55 ; D109.A4 413.21,332.74 ; D109.A4 414.02,331.93 ; D109.A4 414.83,332.74 ; 309.07,76.2 D102.A2 ; D102.A2 310.69,76.2 ; D102.A2 309.88,75.39 ; D102.A2 309.88,77.01 ; SITE2.G16 333.11,242.83 ; SITE2.G16 332.63,242.35 ; SITE2.G16 332.63,243.31 ; SITE2.G16 332.15,242.83 ; 105.87,33.02 D132.A9 ; D132.A9 106.68,33.83 ; D132.A9 106.68,32.21 ; D132.A9 107.49,33.02 ; 386.08,354.79 D110.A15 ; D110.A15 386.08,356.41 ; D110.A15 385.27,355.6 ; D110.A15 386.89,355.6 ; D302.B11 332.74,69.29 ; D302.B11 332.74,67.87 ; D302.B11 333.45,68.58 ; D302.B11 332.03,68.58 ; 119.38,34.75 D132.A14 ; D132.A14 120.19,35.56 ; D132.A14 119.38,36.37 ; D132.A14 118.57,35.56 ; 195.58,72.85 D118.A15 ; D118.A15 195.58,74.47 ; D118.A15 194.77,73.66 ; D118.A15 196.39,73.66 ; D130.B10 109.22,82.09 ; D130.B10 108.41,81.28 ; D130.B10 109.22,80.47 ; D130.B10 110.03,81.28 ; D118.B15 196.39,78.74 ; D118.B15 195.58,79.55 ; D118.B15 195.58,77.93 ; D118.B15 194.77,78.74 ; 309.07,35.56 D104.A2 ; D104.A2 310.69,35.56 ; D104.A2 309.88,34.75 ; D104.A2 309.88,36.37 ; 182.88,55.07 D119.A10 ; D119.A10 182.07,55.88 ; D119.A10 183.69,55.88 ; D119.A10 182.88,56.69 ; 337.11,63.5 D302.A13 ; D302.A13 338.53,63.5 ; D302.A13 337.82,64.21 ; D302.A13 337.82,62.79 ; 179.63,63.5 D318.A9 ; D318.A9 180.34,62.79 ; D318.A9 181.05,63.5 ; D318.A9 180.34,64.21 ; D103.B2 309.88,61.77 ; D103.B2 309.88,60.15 ; D103.B2 309.07,60.96 ; D103.B2 310.69,60.96 ; 101.6,72.85 D130.A7 ; D130.A7 102.41,73.66 ; D130.A7 100.79,73.66 ; D130.A7 101.6,74.47 ; D231.A16 163.37,373.38 ; D231.A16 162.56,372.57 ; D231.A16 161.75,373.38 ; D231.A16 162.56,374.19 ; D107.B5 391.97,58.42 ; D107.B5 391.16,57.61 ; D107.B5 390.35,58.42 ; D107.B5 391.16,59.23 ; D122.A12 261.62,77.01 ; D122.A12 262.43,76.2 ; D122.A12 261.62,75.39 ; D122.A12 260.81,76.2 ; D132.A16 124.46,36.37 ; D132.A16 125.27,35.56 ; D132.A16 123.65,35.56 ; D132.A16 124.46,34.75 ; SITE1.G18 250.71,246.43 ; SITE1.G18 250.23,246.91 ; SITE1.G18 249.75,246.43 ; SITE1.G18 250.23,245.95 ; D123.A8 251.46,56.69 ; D123.A8 252.27,55.88 ; D123.A8 250.65,55.88 ; D123.A8 251.46,55.07 ; D108.B6 394.51,40.64 ; D108.B6 392.89,40.64 ; D108.B6 393.7,41.45 ; D108.B6 393.7,39.83 ; D128.B5 22.86,38.91 ; D128.B5 22.05,38.1 ; D128.B5 23.67,38.1 ; D128.B5 22.86,37.29 ; D114.B6 335.28,348.79 ; D114.B6 336.09,347.98 ; D114.B6 335.28,347.17 ; D114.B6 334.47,347.98 ; 403.86,326.85 D109.B8 ; D109.B8 403.05,327.66 ; D109.B8 404.67,327.66 ; D109.B8 403.86,328.47 ; 192.33,66.04 D318.A14 ; D318.A14 193.04,66.75 ; D318.A14 193.75,66.04 ; D318.A14 193.04,65.33 ; D318.A16 198.12,66.75 ; D318.A16 197.41,66.04 ; D318.A16 198.12,65.33 ; D318.A16 198.83,66.04 ; 398.78,60.15 D107.B8 ; D107.B8 398.78,61.77 ; D107.B8 397.97,60.96 ; D107.B8 399.59,60.96 ; D103.A4 315.77,55.88 ; D103.A4 314.96,56.69 ; D103.A4 314.96,55.07 ; D103.A4 314.15,55.88 ; D123.B7 249.73,58.42 ; D123.B7 248.92,57.61 ; D123.B7 248.92,59.23 ; D123.B7 248.11,58.42 ; D104.A13 338.63,33.02 ; D104.A13 337.01,33.02 ; D104.A13 337.82,33.83 ; D104.A13 337.82,32.21 ; 261.62,70.41 D322.B12 ; D322.B12 262.33,71.12 ; D322.B12 261.62,71.83 ; D322.B12 260.91,71.12 ; D127.A13 43.18,54.15 ; D127.A13 43.18,52.53 ; D127.A13 43.99,53.34 ; D127.A13 42.37,53.34 ; D119.A9 180.34,54.15 ; D119.A9 179.53,53.34 ; D119.A9 180.34,52.53 ; D119.A9 181.15,53.34 ; CSDPS225.B4 266.7,333.55 ; CSDPS225.B4 267.51,332.74 ; CSDPS225.B4 265.89,332.74 ; CSDPS225.B4 266.7,331.93 ; 391.16,370.03 D111.B13 ; D111.B13 391.97,370.84 ; D111.B13 390.35,370.84 ; D111.B13 391.16,371.65 ; D124.B14 266.7,41.45 ; D124.B14 265.89,40.64 ; D124.B14 267.51,40.64 ; D124.B14 266.7,39.83 ; D120.B12 188.77,40.64 ; D120.B12 187.96,41.45 ; D120.B12 187.96,39.83 ; D120.B12 187.15,40.64 ; D103.B12 335.28,61.77 ; D103.B12 336.09,60.96 ; D103.B12 335.28,60.15 ; D103.B12 334.47,60.96 ; 179.53,370.84 D231.B9 ; D231.B9 181.15,370.84 ; D231.B9 180.34,370.03 ; D231.B9 180.34,371.65 ; 103.33,60.96 D131.B8 ; D131.B8 104.14,61.77 ; D131.B8 104.95,60.96 ; D131.B8 104.14,60.15 ; 387.81,332.74 D109.A14 ; D109.A14 388.62,331.93 ; D109.A14 388.62,333.55 ; D109.A14 389.43,332.74 ; SITE2.G11 332.81,247.93 ; SITE2.G11 332.33,248.41 ; SITE2.G11 332.33,247.45 ; SITE2.G11 331.85,247.93 ; D103.B10 330.2,61.77 ; D103.B10 331.01,60.96 ; D103.B10 330.2,60.15 ; D103.B10 329.39,60.96 ; 176.99,368.3 D231.B10 ; D231.B10 178.61,368.3 ; D231.B10 177.8,367.49 ; D231.B10 177.8,369.11 ; D116.B11 322.58,391.97 ; D116.B11 323.39,391.16 ; D116.B11 321.77,391.16 ; D116.B11 322.58,390.35 ; D317.A8 177.8,87.07 ; D317.A8 177.09,86.36 ; D317.A8 177.8,85.65 ; D317.A8 178.51,86.36 ; 418.29,55.88 D107.A16 ; D107.A16 419.91,55.88 ; D107.A16 419.1,55.07 ; D107.A16 419.1,56.69 ; D120.B9 180.34,38.91 ; D120.B9 179.53,38.1 ; D120.B9 181.15,38.1 ; D120.B9 180.34,37.29 ; D122.A9 254.81,73.66 ; D122.A9 253.19,73.66 ; D122.A9 254,72.85 ; D122.A9 254,74.47 ; 326.85,350.52 D114.B9 ; D114.B9 328.47,350.52 ; D114.B9 327.66,351.33 ; D114.B9 327.66,349.71 ; 101.6,57.61 D131.B7 ; D131.B7 100.79,58.42 ; D131.B7 101.6,59.23 ; D131.B7 102.41,58.42 ; 48.26,77.93 D126.B15 ; D126.B15 48.26,79.55 ; D126.B15 47.45,78.74 ; D126.B15 49.07,78.74 ; D112.A6 409.75,393.7 ; D112.A6 408.94,392.89 ; D112.A6 408.13,393.7 ; D112.A6 408.94,394.51 ; D120.B2 163.37,40.64 ; D120.B2 161.75,40.64 ; D120.B2 162.56,39.83 ; D120.B2 162.56,41.45 ; 179.53,58.42 D119.B9 ; D119.B9 180.34,59.23 ; D119.B9 180.34,57.61 ; D119.B9 181.15,58.42 ; 392.89,347.98 D110.B12 ; D110.B12 394.51,347.98 ; D110.B12 393.7,347.17 ; D110.B12 393.7,348.79 ; 393.7,85.65 D305.A6 ; D305.A6 393.7,87.07 ; D305.A6 392.99,86.36 ; D305.A6 394.41,86.36 ; D321.B10 256.54,92.15 ; D321.B10 255.83,91.44 ; D321.B10 256.54,90.73 ; D321.B10 257.25,91.44 ; 248.55,242.83 SITE1.G13 ; SITE1.G13 249.51,242.83 ; SITE1.G13 249.03,242.35 ; SITE1.G13 249.03,243.31 ; 164.29,386.08 D431.A15 ; D431.A15 165.91,386.08 ; D431.A15 165.1,385.27 ; D431.A15 165.1,386.89 ; 388.62,60.15 D107.B4 ; D107.B4 387.81,60.96 ; D107.B4 388.62,61.77 ; D107.B4 389.43,60.96 ; 329.39,388.62 D116.B8 ; D116.B8 331.01,388.62 ; D116.B8 330.2,389.43 ; D116.B8 330.2,387.81 ; D108.A7 397.05,33.02 ; D108.A7 396.24,33.83 ; D108.A7 396.24,32.21 ; D108.A7 395.43,33.02 ; D107.A5 391.97,53.34 ; D107.A5 391.16,54.15 ; D107.A5 390.35,53.34 ; D107.A5 391.16,52.53 ; D112.A16 383.54,394.51 